# KiCad board chc-panel-1.0.kicad_pcb
title: Circuit Hacking Community Minibadge; date: 2023-09-01; rev: 1.0; company: SAINTCON; note: @hamster
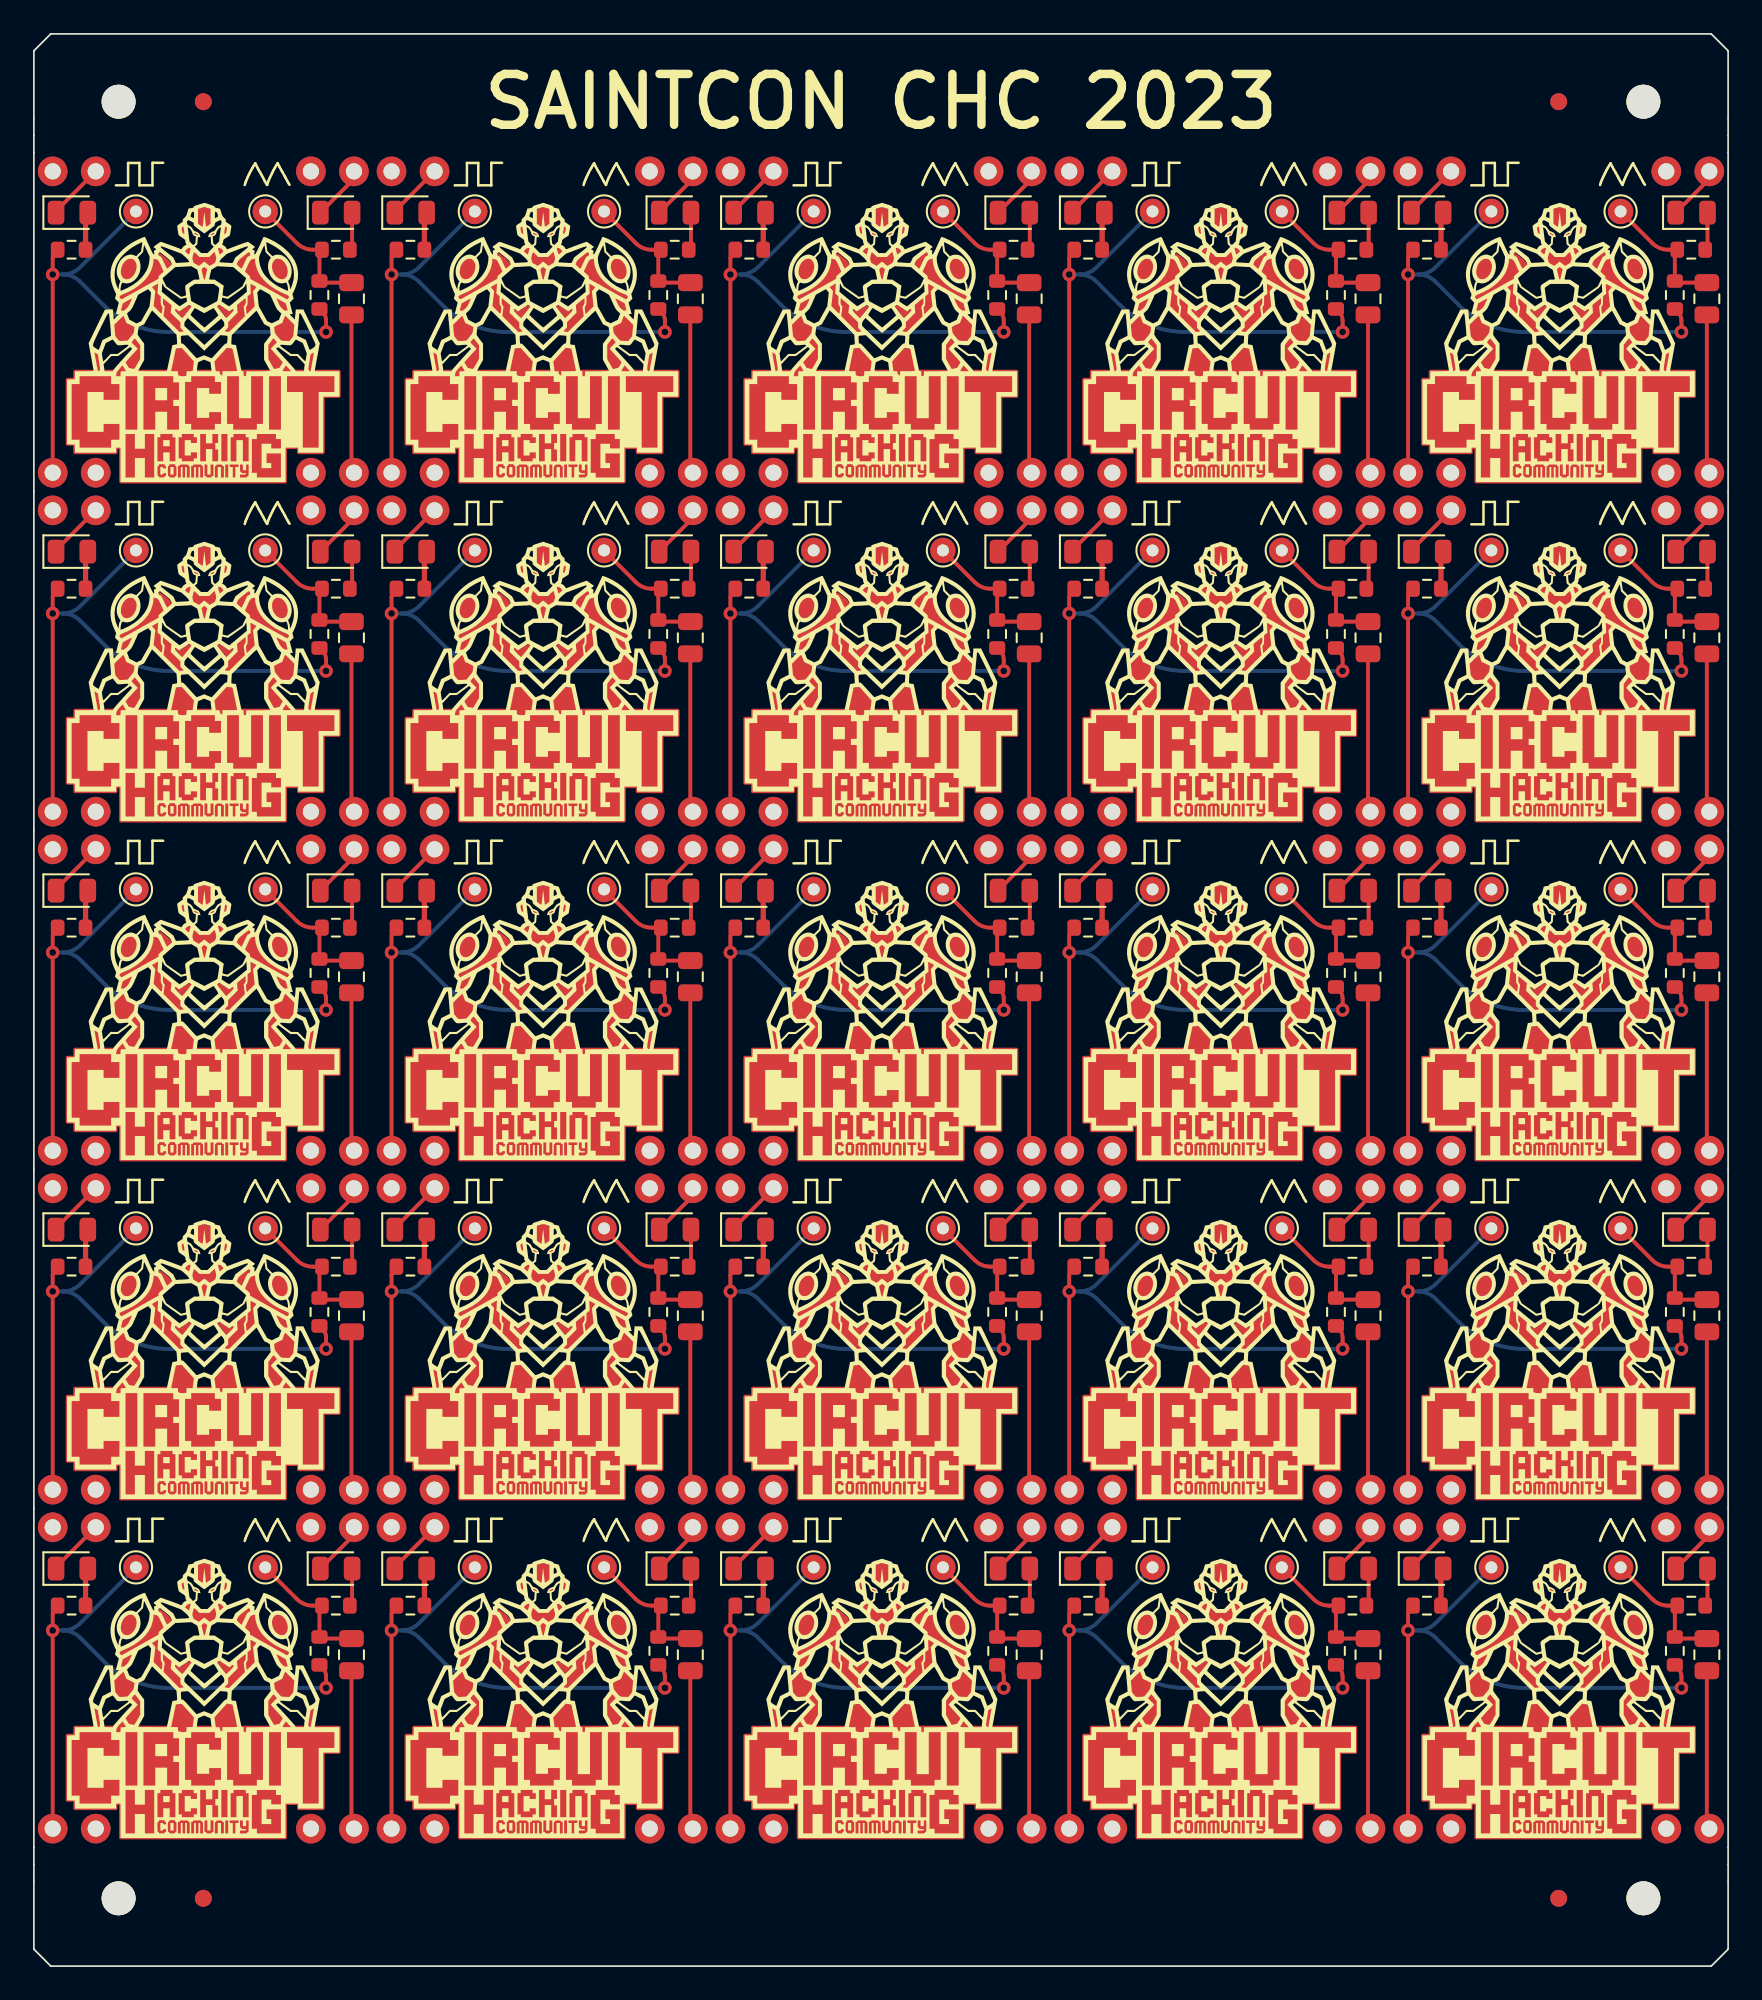
[diagram p0: board, top side]
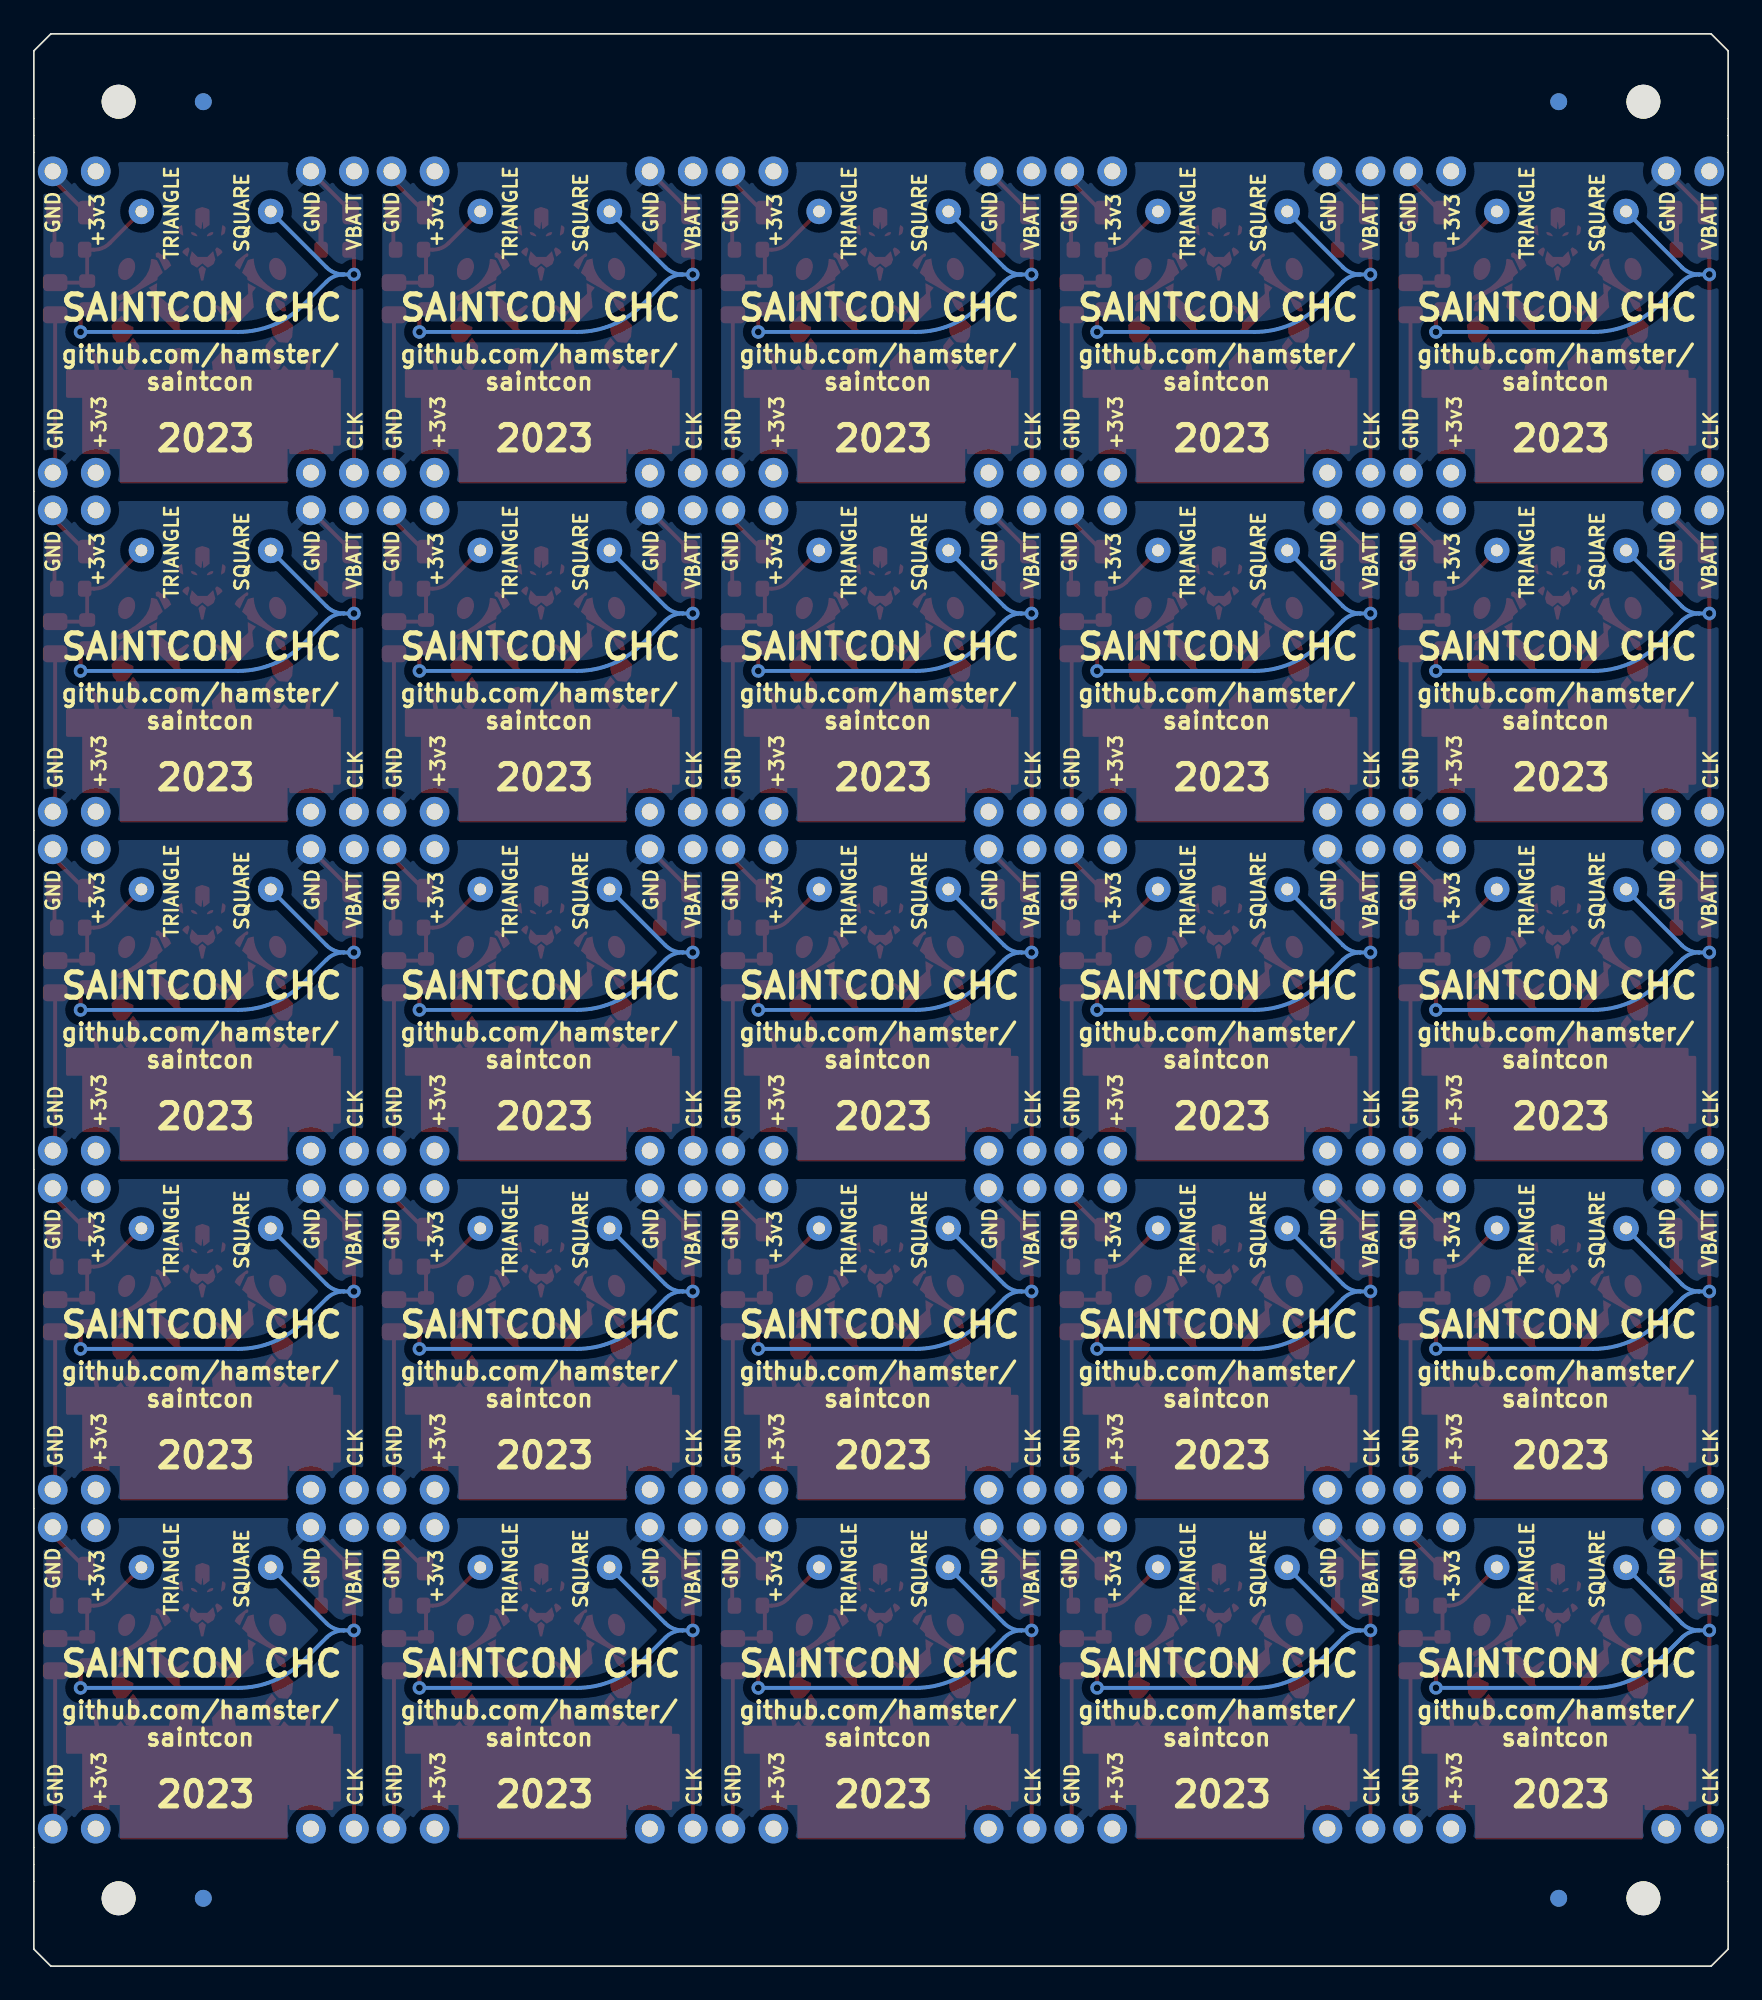
[diagram p1: board, bottom side, seen from below]

Outline 100 x 114 mm; copper layers: Top, Bottom. Coordinates in mm from the lower left corner of the outline.
Outline path: 0,113 0,1 1,0 99,0 100,1 100,113 99,114 1,114 0,113
Stack: Top 0.035mm / dielectric 1.51mm FR4 er 4.5 / Bottom 0.035mm

## Placement (name value [footprint] x y rotation side)
C1-0  22uF  [C_0805_2012Metric]  18.74 98.38 270 top
C1-1  22uF  [C_0805_2012Metric]  38.74 98.38 270 top
C1-2  22uF  [C_0805_2012Metric]  58.74 98.38 270 top
C1-3  22uF  [C_0805_2012Metric]  78.74 98.38 270 top
C1-4  22uF  [C_0805_2012Metric]  98.74 98.38 270 top
C1-5  22uF  [C_0805_2012Metric]  18.74 78.38 270 top
C1-6  22uF  [C_0805_2012Metric]  38.74 78.38 270 top
C1-7  22uF  [C_0805_2012Metric]  58.74 78.38 270 top
C1-8  22uF  [C_0805_2012Metric]  78.74 78.38 270 top
C1-9  22uF  [C_0805_2012Metric]  98.74 78.38 270 top
C1-10  22uF  [C_0805_2012Metric]  18.74 58.38 270 top
C1-11  22uF  [C_0805_2012Metric]  38.74 58.38 270 top
C1-12  22uF  [C_0805_2012Metric]  58.74 58.38 270 top
C1-13  22uF  [C_0805_2012Metric]  78.74 58.38 270 top
C1-14  22uF  [C_0805_2012Metric]  98.74 58.38 270 top
C1-15  22uF  [C_0805_2012Metric]  18.74 38.38 270 top
C1-16  22uF  [C_0805_2012Metric]  38.74 38.38 270 top
C1-17  22uF  [C_0805_2012Metric]  58.74 38.38 270 top
C1-18  22uF  [C_0805_2012Metric]  78.74 38.38 270 top
C1-19  22uF  [C_0805_2012Metric]  98.74 38.38 270 top
C1-20  22uF  [C_0805_2012Metric]  18.74 18.38 270 top
C1-21  22uF  [C_0805_2012Metric]  38.74 18.38 270 top
C1-22  22uF  [C_0805_2012Metric]  58.74 18.38 270 top
C1-23  22uF  [C_0805_2012Metric]  78.74 18.38 270 top
C1-24  22uF  [C_0805_2012Metric]  98.74 18.38 270 top
D1-0  LED  [LED_0805_2012Metric]  2.24 103.45 0 top
D1-1  LED  [LED_0805_2012Metric]  22.24 103.45 0 top
D1-2  LED  [LED_0805_2012Metric]  42.24 103.45 0 top
D1-3  LED  [LED_0805_2012Metric]  62.24 103.45 0 top
D1-4  LED  [LED_0805_2012Metric]  82.24 103.45 0 top
D1-5  LED  [LED_0805_2012Metric]  2.24 83.45 0 top
D1-6  LED  [LED_0805_2012Metric]  22.24 83.45 0 top
D1-7  LED  [LED_0805_2012Metric]  42.24 83.45 0 top
D1-8  LED  [LED_0805_2012Metric]  62.24 83.45 0 top
D1-9  LED  [LED_0805_2012Metric]  82.24 83.45 0 top
D1-10  LED  [LED_0805_2012Metric]  2.24 63.45 0 top
D1-11  LED  [LED_0805_2012Metric]  22.24 63.45 0 top
D1-12  LED  [LED_0805_2012Metric]  42.24 63.45 0 top
D1-13  LED  [LED_0805_2012Metric]  62.24 63.45 0 top
D1-14  LED  [LED_0805_2012Metric]  82.24 63.45 0 top
D1-15  LED  [LED_0805_2012Metric]  2.24 43.45 0 top
D1-16  LED  [LED_0805_2012Metric]  22.24 43.45 0 top
D1-17  LED  [LED_0805_2012Metric]  42.24 43.45 0 top
D1-18  LED  [LED_0805_2012Metric]  62.24 43.45 0 top
D1-19  LED  [LED_0805_2012Metric]  82.24 43.45 0 top
D1-20  LED  [LED_0805_2012Metric]  2.24 23.46 0 top
D1-21  LED  [LED_0805_2012Metric]  22.24 23.46 0 top
D1-22  LED  [LED_0805_2012Metric]  42.24 23.46 0 top
D1-23  LED  [LED_0805_2012Metric]  62.24 23.46 0 top
D1-24  LED  [LED_0805_2012Metric]  82.24 23.46 0 top
D2-0  LED  [LED_0805_2012Metric]  17.84 103.45 0 top
D2-1  LED  [LED_0805_2012Metric]  37.84 103.45 0 top
D2-2  LED  [LED_0805_2012Metric]  57.84 103.45 0 top
D2-3  LED  [LED_0805_2012Metric]  77.84 103.45 0 top
D2-4  LED  [LED_0805_2012Metric]  97.84 103.45 0 top
D2-5  LED  [LED_0805_2012Metric]  17.84 83.45 0 top
D2-6  LED  [LED_0805_2012Metric]  37.84 83.45 0 top
D2-7  LED  [LED_0805_2012Metric]  57.84 83.45 0 top
D2-8  LED  [LED_0805_2012Metric]  77.84 83.45 0 top
D2-9  LED  [LED_0805_2012Metric]  97.84 83.45 0 top
D2-10  LED  [LED_0805_2012Metric]  17.84 63.45 0 top
D2-11  LED  [LED_0805_2012Metric]  37.84 63.45 0 top
D2-12  LED  [LED_0805_2012Metric]  57.84 63.45 0 top
D2-13  LED  [LED_0805_2012Metric]  77.84 63.45 0 top
D2-14  LED  [LED_0805_2012Metric]  97.84 63.45 0 top
D2-15  LED  [LED_0805_2012Metric]  17.84 43.45 0 top
D2-16  LED  [LED_0805_2012Metric]  37.84 43.45 0 top
D2-17  LED  [LED_0805_2012Metric]  57.84 43.45 0 top
D2-18  LED  [LED_0805_2012Metric]  77.84 43.45 0 top
D2-19  LED  [LED_0805_2012Metric]  97.84 43.45 0 top
D2-20  LED  [LED_0805_2012Metric]  17.84 23.46 0 top
D2-21  LED  [LED_0805_2012Metric]  37.84 23.46 0 top
D2-22  LED  [LED_0805_2012Metric]  57.84 23.46 0 top
D2-23  LED  [LED_0805_2012Metric]  77.84 23.46 0 top
D2-24  LED  [LED_0805_2012Metric]  97.84 23.46 0 top
G***-0  LOGO  [mask]  9.97 95.38 0 top
G***-0#2  LOGO  [silkscreen]  9.96 95.41 0 top
G***-0#3  LOGO  [copper]  9.97 95.42 0 top
G***-1  LOGO  [silkscreen]  29.96 95.41 0 top
G***-1#2  LOGO  [mask]  29.97 95.38 0 top
G***-1#3  LOGO  [copper]  29.97 95.42 0 top
G***-2  LOGO  [silkscreen]  49.96 95.41 0 top
G***-2#2  LOGO  [mask]  49.96 95.38 0 top
G***-2#3  LOGO  [copper]  49.97 95.42 0 top
G***-3  LOGO  [silkscreen]  69.96 95.41 0 top
G***-3#2  LOGO  [mask]  69.96 95.38 0 top
G***-3#3  LOGO  [copper]  69.97 95.42 0 top
G***-4  LOGO  [mask]  89.96 95.38 0 top
G***-4#2  LOGO  [copper]  89.97 95.42 0 top
G***-4#3  LOGO  [silkscreen]  89.96 95.41 0 top
G***-5  LOGO  [silkscreen]  9.96 75.41 0 top
G***-5#2  LOGO  [copper]  9.97 75.42 0 top
G***-5#3  LOGO  [mask]  9.97 75.38 0 top
G***-6  LOGO  [silkscreen]  29.96 75.41 0 top
G***-6#2  LOGO  [mask]  29.97 75.38 0 top
G***-6#3  LOGO  [copper]  29.97 75.42 0 top
G***-7  LOGO  [mask]  49.96 75.38 0 top
G***-7#2  LOGO  [silkscreen]  49.96 75.41 0 top
G***-7#3  LOGO  [copper]  49.97 75.42 0 top
G***-8  LOGO  [copper]  69.97 75.42 0 top
G***-8#2  LOGO  [mask]  69.96 75.38 0 top
G***-8#3  LOGO  [silkscreen]  69.96 75.41 0 top
G***-9  LOGO  [copper]  89.97 75.42 0 top
G***-9#2  LOGO  [mask]  89.96 75.38 0 top
G***-9#3  LOGO  [silkscreen]  89.96 75.41 0 top
G***-10  LOGO  [mask]  9.97 55.38 0 top
G***-10#2  LOGO  [copper]  9.97 55.42 0 top
G***-10#3  LOGO  [silkscreen]  9.96 55.41 0 top
G***-11  LOGO  [silkscreen]  29.96 55.41 0 top
G***-11#2  LOGO  [mask]  29.97 55.38 0 top
G***-11#3  LOGO  [copper]  29.97 55.42 0 top
G***-12  LOGO  [silkscreen]  49.96 55.41 0 top
G***-12#2  LOGO  [copper]  49.97 55.42 0 top
G***-12#3  LOGO  [mask]  49.96 55.38 0 top
G***-13  LOGO  [copper]  69.97 55.42 0 top
G***-13#2  LOGO  [silkscreen]  69.96 55.41 0 top
G***-13#3  LOGO  [mask]  69.96 55.38 0 top
G***-14  LOGO  [copper]  89.97 55.42 0 top
G***-14#2  LOGO  [silkscreen]  89.96 55.41 0 top
G***-14#3  LOGO  [mask]  89.96 55.38 0 top
G***-15  LOGO  [silkscreen]  9.96 35.41 0 top
G***-15#2  LOGO  [copper]  9.97 35.42 0 top
G***-15#3  LOGO  [mask]  9.97 35.38 0 top
G***-16  LOGO  [silkscreen]  29.96 35.41 0 top
G***-16#2  LOGO  [mask]  29.97 35.38 0 top
G***-16#3  LOGO  [copper]  29.97 35.42 0 top
G***-17  LOGO  [silkscreen]  49.96 35.41 0 top
G***-17#2  LOGO  [copper]  49.97 35.42 0 top
G***-17#3  LOGO  [mask]  49.96 35.38 0 top
G***-18  LOGO  [copper]  69.97 35.42 0 top
G***-18#2  LOGO  [mask]  69.96 35.38 0 top
G***-18#3  LOGO  [silkscreen]  69.96 35.41 0 top
G***-19  LOGO  [mask]  89.96 35.38 0 top
G***-19#2  LOGO  [silkscreen]  89.96 35.41 0 top
G***-19#3  LOGO  [copper]  89.97 35.42 0 top
G***-20  LOGO  [silkscreen]  9.96 15.41 0 top
G***-20#2  LOGO  [copper]  9.97 15.42 0 top
G***-20#3  LOGO  [mask]  9.97 15.38 0 top
G***-21  LOGO  [silkscreen]  29.96 15.41 0 top
G***-21#2  LOGO  [copper]  29.97 15.42 0 top
G***-21#3  LOGO  [mask]  29.97 15.38 0 top
G***-22  LOGO  [mask]  49.96 15.38 0 top
G***-22#2  LOGO  [copper]  49.97 15.42 0 top
G***-22#3  LOGO  [silkscreen]  49.96 15.41 0 top
G***-23  LOGO  [silkscreen]  69.96 15.41 0 top
G***-23#2  LOGO  [copper]  69.97 15.42 0 top
G***-23#3  LOGO  [mask]  69.96 15.38 0 top
G***-24  LOGO  [mask]  89.96 15.38 0 top
G***-24#2  LOGO  [copper]  89.97 15.42 0 top
G***-24#3  LOGO  [silkscreen]  89.96 15.41 0 top
MB1-0  -  [MiniBadge_Simple]  -0.16 107.16 0 top
MB1-1  -  [MiniBadge_Simple]  19.84 107.16 0 top
MB1-2  -  [MiniBadge_Simple]  39.84 107.16 0 top
MB1-3  -  [MiniBadge_Simple]  59.84 107.16 0 top
MB1-4  -  [MiniBadge_Simple]  79.84 107.16 0 top
MB1-5  -  [MiniBadge_Simple]  -0.16 87.16 0 top
MB1-6  -  [MiniBadge_Simple]  19.84 87.16 0 top
MB1-7  -  [MiniBadge_Simple]  39.84 87.16 0 top
MB1-8  -  [MiniBadge_Simple]  59.84 87.16 0 top
MB1-9  -  [MiniBadge_Simple]  79.84 87.16 0 top
MB1-10  -  [MiniBadge_Simple]  -0.16 67.16 0 top
MB1-11  -  [MiniBadge_Simple]  19.84 67.16 0 top
MB1-12  -  [MiniBadge_Simple]  39.84 67.16 0 top
MB1-13  -  [MiniBadge_Simple]  59.84 67.16 0 top
MB1-14  -  [MiniBadge_Simple]  79.84 67.16 0 top
MB1-15  -  [MiniBadge_Simple]  -0.16 47.16 0 top
MB1-16  -  [MiniBadge_Simple]  19.84 47.16 0 top
MB1-17  -  [MiniBadge_Simple]  39.84 47.16 0 top
MB1-18  -  [MiniBadge_Simple]  59.84 47.16 0 top
MB1-19  -  [MiniBadge_Simple]  79.84 47.16 0 top
MB1-20  -  [MiniBadge_Simple]  -0.16 27.16 0 top
MB1-21  -  [MiniBadge_Simple]  19.84 27.16 0 top
MB1-22  -  [MiniBadge_Simple]  39.84 27.16 0 top
MB1-23  -  [MiniBadge_Simple]  59.84 27.16 0 top
MB1-24  -  [MiniBadge_Simple]  79.84 27.16 0 top
R1-0  1k  [R_0603_1608Metric]  2.22 101.27 180 top
R1-1  1k  [R_0603_1608Metric]  22.22 101.27 180 top
R1-2  1k  [R_0603_1608Metric]  42.23 101.27 180 top
R1-3  1k  [R_0603_1608Metric]  62.23 101.27 180 top
R1-4  1k  [R_0603_1608Metric]  82.23 101.27 180 top
R1-5  1k  [R_0603_1608Metric]  2.22 81.27 180 top
R1-6  1k  [R_0603_1608Metric]  22.22 81.27 180 top
R1-7  1k  [R_0603_1608Metric]  42.23 81.27 180 top
R1-8  1k  [R_0603_1608Metric]  62.23 81.27 180 top
R1-9  1k  [R_0603_1608Metric]  82.23 81.27 180 top
R1-10  1k  [R_0603_1608Metric]  2.22 61.27 180 top
R1-11  1k  [R_0603_1608Metric]  22.22 61.27 180 top
R1-12  1k  [R_0603_1608Metric]  42.23 61.27 180 top
R1-13  1k  [R_0603_1608Metric]  62.23 61.27 180 top
R1-14  1k  [R_0603_1608Metric]  82.23 61.27 180 top
R1-15  1k  [R_0603_1608Metric]  2.22 41.27 180 top
R1-16  1k  [R_0603_1608Metric]  22.22 41.27 180 top
R1-17  1k  [R_0603_1608Metric]  42.23 41.27 180 top
R1-18  1k  [R_0603_1608Metric]  62.23 41.27 180 top
R1-19  1k  [R_0603_1608Metric]  82.23 41.27 180 top
R1-20  1k  [R_0603_1608Metric]  2.22 21.27 180 top
R1-21  1k  [R_0603_1608Metric]  22.22 21.27 180 top
R1-22  1k  [R_0603_1608Metric]  42.23 21.27 180 top
R1-23  1k  [R_0603_1608Metric]  62.23 21.27 180 top
R1-24  1k  [R_0603_1608Metric]  82.23 21.27 180 top
R2-0  10k  [R_0603_1608Metric]  16.86 98.59 270 top
R2-1  10k  [R_0603_1608Metric]  36.86 98.59 270 top
R2-2  10k  [R_0603_1608Metric]  56.86 98.59 270 top
R2-3  10k  [R_0603_1608Metric]  76.86 98.59 270 top
R2-4  10k  [R_0603_1608Metric]  96.86 98.59 270 top
R2-5  10k  [R_0603_1608Metric]  16.86 78.59 270 top
R2-6  10k  [R_0603_1608Metric]  36.86 78.59 270 top
R2-7  10k  [R_0603_1608Metric]  56.86 78.59 270 top
R2-8  10k  [R_0603_1608Metric]  76.86 78.59 270 top
R2-9  10k  [R_0603_1608Metric]  96.86 78.59 270 top
R2-10  10k  [R_0603_1608Metric]  16.86 58.59 270 top
R2-11  10k  [R_0603_1608Metric]  36.86 58.59 270 top
R2-12  10k  [R_0603_1608Metric]  56.86 58.59 270 top
R2-13  10k  [R_0603_1608Metric]  76.86 58.59 270 top
R2-14  10k  [R_0603_1608Metric]  96.86 58.59 270 top
R2-15  10k  [R_0603_1608Metric]  16.86 38.59 270 top
R2-16  10k  [R_0603_1608Metric]  36.86 38.59 270 top
R2-17  10k  [R_0603_1608Metric]  56.86 38.59 270 top
R2-18  10k  [R_0603_1608Metric]  76.86 38.59 270 top
R2-19  10k  [R_0603_1608Metric]  96.86 38.59 270 top
R2-20  10k  [R_0603_1608Metric]  16.86 18.59 270 top
R2-21  10k  [R_0603_1608Metric]  36.86 18.59 270 top
R2-22  10k  [R_0603_1608Metric]  56.86 18.59 270 top
R2-23  10k  [R_0603_1608Metric]  76.86 18.59 270 top
R2-24  10k  [R_0603_1608Metric]  96.86 18.59 270 top
R3-0  1k  [R_0603_1608Metric]  17.83 101.27 180 top
R3-1  1k  [R_0603_1608Metric]  37.83 101.27 180 top
R3-2  1k  [R_0603_1608Metric]  57.83 101.27 180 top
R3-3  1k  [R_0603_1608Metric]  77.83 101.27 180 top
R3-4  1k  [R_0603_1608Metric]  97.83 101.27 180 top
R3-5  1k  [R_0603_1608Metric]  17.83 81.27 180 top
R3-6  1k  [R_0603_1608Metric]  37.83 81.27 180 top
R3-7  1k  [R_0603_1608Metric]  57.83 81.27 180 top
R3-8  1k  [R_0603_1608Metric]  77.83 81.27 180 top
R3-9  1k  [R_0603_1608Metric]  97.83 81.27 180 top
R3-10  1k  [R_0603_1608Metric]  17.83 61.27 180 top
R3-11  1k  [R_0603_1608Metric]  37.83 61.27 180 top
R3-12  1k  [R_0603_1608Metric]  57.83 61.27 180 top
R3-13  1k  [R_0603_1608Metric]  77.83 61.27 180 top
R3-14  1k  [R_0603_1608Metric]  97.83 61.27 180 top
R3-15  1k  [R_0603_1608Metric]  17.83 41.27 180 top
R3-16  1k  [R_0603_1608Metric]  37.83 41.27 180 top
R3-17  1k  [R_0603_1608Metric]  57.83 41.27 180 top
R3-18  1k  [R_0603_1608Metric]  77.83 41.27 180 top
R3-19  1k  [R_0603_1608Metric]  97.83 41.27 180 top
R3-20  1k  [R_0603_1608Metric]  17.83 21.27 180 top
R3-21  1k  [R_0603_1608Metric]  37.83 21.27 180 top
R3-22  1k  [R_0603_1608Metric]  57.83 21.27 180 top
R3-23  1k  [R_0603_1608Metric]  77.83 21.27 180 top
R3-24  1k  [R_0603_1608Metric]  97.83 21.27 180 top
REF**  -  [Fiducial]  10 4 0 top
REF**#2  -  [Fiducial]  90 4 0 top
REF**#3  -  [NPTH]  95 110 0 top
REF**#4  -  [Fiducial]  10 110 0 top
REF**#5  -  [NPTH]  5 110 0 top
REF**#6  -  [NPTH]  95 4 0 top
REF**#7  -  [Fiducial]  90 110 0 top
REF**#8  -  [NPTH]  5 4 0 top
REF**#9  -  [Fiducial]  10 110 0 bottom
REF**#10  -  [Fiducial]  90 4 0 bottom
REF**#11  -  [Fiducial]  90 110 0 bottom
REF**#12  -  [Fiducial]  10 4 0 bottom
TP1-0  TestPoint  [TestPoint_THTPad_D1.5mm_Drill0.7mm]  6.02 103.53 0 top
TP1-1  TestPoint  [TestPoint_THTPad_D1.5mm_Drill0.7mm]  26.02 103.53 0 top
TP1-2  TestPoint  [TestPoint_THTPad_D1.5mm_Drill0.7mm]  46.02 103.53 0 top
TP1-3  TestPoint  [TestPoint_THTPad_D1.5mm_Drill0.7mm]  66.02 103.53 0 top
TP1-4  TestPoint  [TestPoint_THTPad_D1.5mm_Drill0.7mm]  86.02 103.53 0 top
TP1-5  TestPoint  [TestPoint_THTPad_D1.5mm_Drill0.7mm]  6.02 83.53 0 top
TP1-6  TestPoint  [TestPoint_THTPad_D1.5mm_Drill0.7mm]  26.02 83.53 0 top
TP1-7  TestPoint  [TestPoint_THTPad_D1.5mm_Drill0.7mm]  46.02 83.53 0 top
TP1-8  TestPoint  [TestPoint_THTPad_D1.5mm_Drill0.7mm]  66.02 83.53 0 top
TP1-9  TestPoint  [TestPoint_THTPad_D1.5mm_Drill0.7mm]  86.02 83.53 0 top
TP1-10  TestPoint  [TestPoint_THTPad_D1.5mm_Drill0.7mm]  6.02 63.53 0 top
TP1-11  TestPoint  [TestPoint_THTPad_D1.5mm_Drill0.7mm]  26.02 63.53 0 top
TP1-12  TestPoint  [TestPoint_THTPad_D1.5mm_Drill0.7mm]  46.02 63.53 0 top
TP1-13  TestPoint  [TestPoint_THTPad_D1.5mm_Drill0.7mm]  66.02 63.53 0 top
TP1-14  TestPoint  [TestPoint_THTPad_D1.5mm_Drill0.7mm]  86.02 63.53 0 top
TP1-15  TestPoint  [TestPoint_THTPad_D1.5mm_Drill0.7mm]  6.02 43.53 0 top
TP1-16  TestPoint  [TestPoint_THTPad_D1.5mm_Drill0.7mm]  26.02 43.53 0 top
TP1-17  TestPoint  [TestPoint_THTPad_D1.5mm_Drill0.7mm]  46.02 43.53 0 top
TP1-18  TestPoint  [TestPoint_THTPad_D1.5mm_Drill0.7mm]  66.02 43.53 0 top
TP1-19  TestPoint  [TestPoint_THTPad_D1.5mm_Drill0.7mm]  86.02 43.53 0 top
TP1-20  TestPoint  [TestPoint_THTPad_D1.5mm_Drill0.7mm]  6.02 23.53 0 top
TP1-21  TestPoint  [TestPoint_THTPad_D1.5mm_Drill0.7mm]  26.02 23.53 0 top
TP1-22  TestPoint  [TestPoint_THTPad_D1.5mm_Drill0.7mm]  46.02 23.53 0 top
TP1-23  TestPoint  [TestPoint_THTPad_D1.5mm_Drill0.7mm]  66.02 23.53 0 top
TP1-24  TestPoint  [TestPoint_THTPad_D1.5mm_Drill0.7mm]  86.02 23.53 0 top
TP2-0  TestPoint  [TestPoint_THTPad_D1.5mm_Drill0.7mm]  13.66 103.53 0 top
TP2-1  TestPoint  [TestPoint_THTPad_D1.5mm_Drill0.7mm]  33.66 103.53 0 top
TP2-2  TestPoint  [TestPoint_THTPad_D1.5mm_Drill0.7mm]  53.65 103.53 0 top
TP2-3  TestPoint  [TestPoint_THTPad_D1.5mm_Drill0.7mm]  73.65 103.53 0 top
TP2-4  TestPoint  [TestPoint_THTPad_D1.5mm_Drill0.7mm]  93.65 103.53 0 top
TP2-5  TestPoint  [TestPoint_THTPad_D1.5mm_Drill0.7mm]  13.66 83.53 0 top
TP2-6  TestPoint  [TestPoint_THTPad_D1.5mm_Drill0.7mm]  33.66 83.53 0 top
TP2-7  TestPoint  [TestPoint_THTPad_D1.5mm_Drill0.7mm]  53.65 83.53 0 top
TP2-8  TestPoint  [TestPoint_THTPad_D1.5mm_Drill0.7mm]  73.65 83.53 0 top
TP2-9  TestPoint  [TestPoint_THTPad_D1.5mm_Drill0.7mm]  93.65 83.53 0 top
TP2-10  TestPoint  [TestPoint_THTPad_D1.5mm_Drill0.7mm]  13.66 63.53 0 top
TP2-11  TestPoint  [TestPoint_THTPad_D1.5mm_Drill0.7mm]  33.66 63.53 0 top
TP2-12  TestPoint  [TestPoint_THTPad_D1.5mm_Drill0.7mm]  53.65 63.53 0 top
TP2-13  TestPoint  [TestPoint_THTPad_D1.5mm_Drill0.7mm]  73.65 63.53 0 top
TP2-14  TestPoint  [TestPoint_THTPad_D1.5mm_Drill0.7mm]  93.65 63.53 0 top
TP2-15  TestPoint  [TestPoint_THTPad_D1.5mm_Drill0.7mm]  13.66 43.53 0 top
TP2-16  TestPoint  [TestPoint_THTPad_D1.5mm_Drill0.7mm]  33.66 43.53 0 top
TP2-17  TestPoint  [TestPoint_THTPad_D1.5mm_Drill0.7mm]  53.65 43.53 0 top
TP2-18  TestPoint  [TestPoint_THTPad_D1.5mm_Drill0.7mm]  73.65 43.53 0 top
TP2-19  TestPoint  [TestPoint_THTPad_D1.5mm_Drill0.7mm]  93.65 43.53 0 top
TP2-20  TestPoint  [TestPoint_THTPad_D1.5mm_Drill0.7mm]  13.66 23.53 0 top
TP2-21  TestPoint  [TestPoint_THTPad_D1.5mm_Drill0.7mm]  33.66 23.53 0 top
TP2-22  TestPoint  [TestPoint_THTPad_D1.5mm_Drill0.7mm]  53.65 23.53 0 top
TP2-23  TestPoint  [TestPoint_THTPad_D1.5mm_Drill0.7mm]  73.65 23.53 0 top
TP2-24  TestPoint  [TestPoint_THTPad_D1.5mm_Drill0.7mm]  93.65 23.53 0 top
